# Altium PCB SmartHaloEE.PcbDoc (part 1 of 3) (continued)
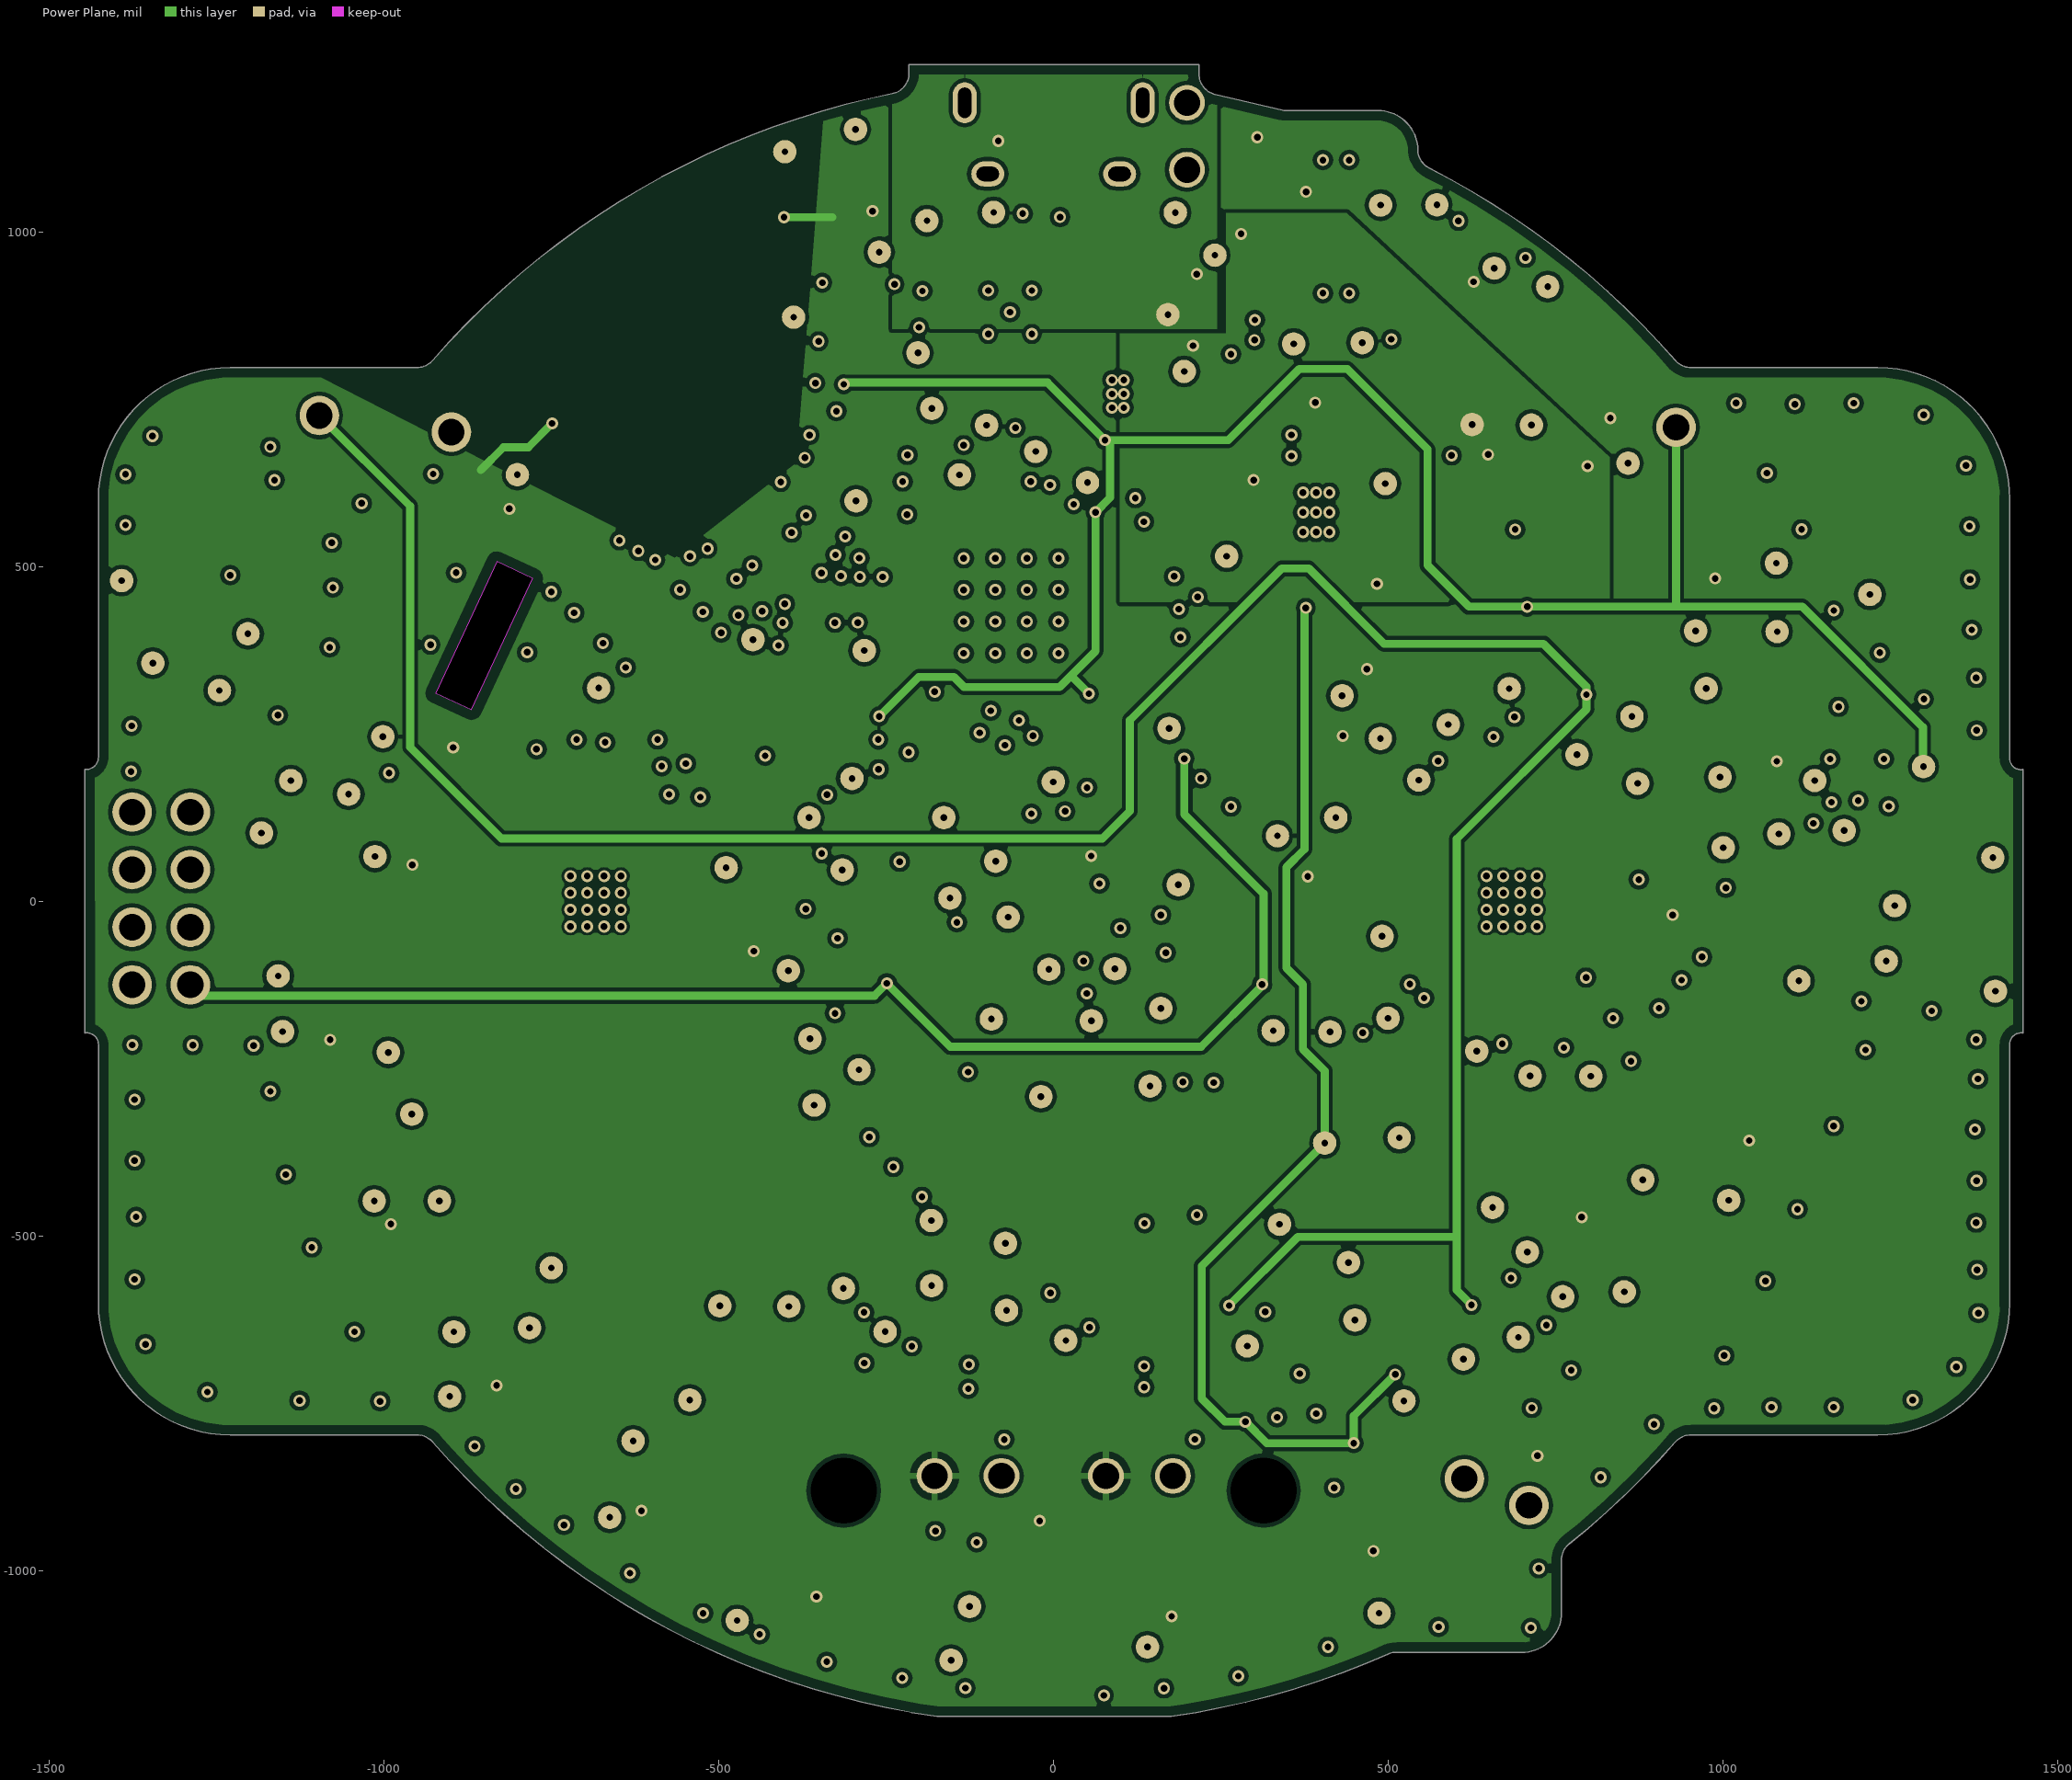
[diagram p3: Power Plane]

## Layer stack, top to bottom
Top Solder: solder mask 1, Solder Resist, Dk 3.5
Top Layer: signal copper 1.4
Dielectric 1: prepreg 6.7, FR408, Dk 3.67
Ground Plane: signal copper 1.4
Dielectric 2: core 47, FR408, Dk 3.67
Power Plane: signal copper 1.4
Dielectric 3: prepreg 6.7, Dk 3.67
Bottom Layer: signal copper 1.4
Bottom Solder: solder mask 1, Solder Resist, Dk 3.5

## Board outline
-1426.68,-213.78 ccw(c-1443.89,-213.78) -1446.88,-196.83 -1446.68,-196.83 -1446.68,197.07 -1447.06,197.07 ccw(c-1444.87,215.13) -1426.68,215.13 -1426.68,600.44 cw(c-1229.88,600.54) -1229.88,797.34 -950.88,797.34 ccw(c-950.88,828.34) -927.5,807.99 cw(c0.42,0.14) -241,1206.52 ccw(c-247.08,1236.92) -216.08,1236.92 -216.08,1250.04 217.02,1250.04 217.02,1235.71 ccw(c248.02,1235.71) 240.94,1205.53 341.42,1181.96 ccw(c348.5,1212.14) 348.5,1181.14 484.72,1181.14 cw(c484.82,1122.14) 543.82,1122.14 543.82,1123.04 ccw(c574.82,1123.04) 560.7,1095.44 cw(c0.62,0.24) 928.35,807.99 ccw(c951.73,828.34) 951.73,797.34 1230.82,797.34 cw(c1230.77,600.49) 1427.62,600.44 1427.62,213.56 ccw(c1444.49,213.56) 1447.42,196.95 1447.62,196.95 1447.62,-196.83 1447.79,-196.83 ccw(c1444.81,-213.76) 1427.62,-213.76 1427.62,-600.26 cw(c1230.82,-600.36) 1230.82,-797.16 951.69,-797.16 ccw(c951.69,-828.16) 928.31,-807.8 cw(c0.62,-0.06) 769.93,-959.87 ccw(c789.32,-984.05) 758.32,-984.05 758.32,-1062.86 cw(c699.32,-1062.96) 699.32,-1121.96 511.72,-1121.96 ccw(c511.72,-1152.96) 499.16,-1124.62 cw(c0.45,0.03) 175.47,-1217.72 -174.53,-1217.72 cw(c0.45,0.03) -927.42,-807.8 ccw(c-950.8,-828.16) -950.8,-797.16 -1229.88,-797.16 cw(c-1229.83,-600.31) -1426.68,-600.26
cut-out: -923.11,311.18 -869.59,286.22 -778.08,482.47 -831.6,507.43

## Design rules (kind name [scope] priority, off if disabled: settings)
AcuteAngle [All] p1: minimum=6.00000000000000E+0001 checktracksonly=TRUE
AssemblyTestPointUsage AssemblyTestPointUsage_NoTP [InNet('ANT') Or InNet('RF') Or InNet('NetC20_2')  Or InNet('P0.09/NFC1') Or InNet('P0.10/NFC2') Or InNet('XC_N') Or InNet('XC_P') Or InNet('XL_N') Or InNet('XL_P')] p1: valid=1
AssemblyTestPointUsage AssemblyTestPointUsage_Power [InNet('VDD_NRF') Or InNet('VLED') OR InNet('PGND') OR InNet('GND') OR InNet('VBZ') OR InNet('VUSB') Or InNet('VBAT') Or InNet('DGND') Or InNet('AGND') Or InNet('S2V8')] p2: allowmultiple=TRUE
AssemblyTestPointUsage [All] p3:
AssemblyTestpoint AssemblyTestpoint_TP [InComponent('TP*')] p1: testpointundercomponent=TRUE minsize=35 maxsize=59.06 preferedsize=35 minholesize=0 maxholesize=39.37 preferedholesize=10 testpointgrid=1 usegrid=FALSE gridoriginx=2810.98 gridoriginy=2760.98 gridtolerance=0.01 allowsidebottom=TRUE minspacing=83
AssemblyTestpoint AssemblyTestpoint_ShortComponents [((IsPad And (OnTopLayer Or OnBottomLayer)) Or (IsVia) Or (IsPad And OnMultiLayer)) And (IsComponent And (Height < 150))] p2: testpointundercomponent=TRUE minsize=35 maxsize=59.06 preferedsize=35 minholesize=0 maxholesize=39.37 preferedholesize=10 testpointgrid=1 usegrid=FALSE gridoriginx=2810.98 gridoriginy=2760.98 gridtolerance=0.01 allowsidebottom=TRUE minspacing=83 compbodyclearance=40
AssemblyTestpoint AssemblyTestpoint_TallComponents [(IsPad And (OnTopLayer Or OnBottomLayer)) Or (IsVia) Or (IsPad And OnMultiLayer)] p3: testpointundercomponent=TRUE minsize=35 maxsize=59.06 preferedsize=35 minholesize=0 maxholesize=39.37 preferedholesize=10 testpointgrid=1 usegrid=FALSE gridtolerance=0.01 allowsidebottom=TRUE minspacing=83 compbodyclearance=55
BoardOutlineClearance BoardOutlineClearance_Component [IsComponent] p1: gap=66
BoardOutlineClearance [All] p2: gap=15
Clearance Clearance_ISSIDrivers [HasFootprint('QFN-44')] p1: gap=4
Clearance [All] p2: gap=6
ComponentClearance ComponentClearance_COAXSWITCH [HasFootprint('COAXIAL-SWF') Or InComponent('TP*')] p1: gap=0 collisioncheckmode=3 verticalgap=0 showdistances=FALSE
ComponentClearance [All] p2: gap=10 collisioncheckmode=3 verticalgap=10 showdistances=FALSE
DiffPairsRouting [Not InDifferentialPair('BZ_OUT')] p1: maxlimit=10 minlimit=6 mostfreqgap=8 toplayer_minwidth=6 toplayer_maxwidth=10 toplayer_prefwidth=8 midlayer1_minwidth=6 midlayer1_maxwidth=10 midlayer1_prefwidth=8 midlayer2_minwidth=6 midlayer2_maxwidth=10 midlayer2_prefwidth=8 bottomlayer_minwidth=6 bottomlayer_maxwidth=10 bottomlayer_prefwidth=8 maxuncoupledlength=500
DiffPairsRouting DiffPairsRouting_BZOUT [InDifferentialPair('BZ_OUT')] p2: maxlimit=500 minlimit=6 mostfreqgap=8 toplayer_minwidth=6 toplayer_maxwidth=10 toplayer_prefwidth=8 midlayer1_minwidth=6 midlayer1_maxwidth=10 midlayer1_prefwidth=8 midlayer2_minwidth=6 midlayer2_maxwidth=10 midlayer2_prefwidth=8 bottomlayer_minwidth=6 bottomlayer_maxwidth=10 bottomlayer_prefwidth=8 maxuncoupledlength=8000
FabricationTestPointUsage FabricationTestPointUsage_NoTP [InNet('ANT') Or InNet('RF') Or InNet('NetC20_2') Or InNet('P0.09/NFC1') Or InNet('P0.10/NFC2') Or InNet('XC_N') Or InNet('XC_P') Or InNet('XL_N') Or InNet('XL_P')] p1: valid=1 allowmultiple=FALSE
FabricationTestPointUsage FabricationTestPointUsage_Power [InNet('VDD_NRF') Or InNet('VLED') OR InNet('PGND') OR InNet('GND') OR InNet('VBZ') OR InNet('VUSB') Or InNet('VBAT') Or InNet('DGND') Or InNet('AGND') Or InNet('S2V8')] p2: valid=0 allowmultiple=TRUE
FabricationTestPointUsage [All] p3: valid=0 allowmultiple=FALSE
FabricationTestpoint FabricationTestpoint_TP [InComponent('TP*')] p1: side=2 testpointundercomponent=TRUE minsize=35 maxsize=59.06 preferedsize=35 minholesize=0 maxholesize=39.37 preferedholesize=10 testpointgrid=1 allowsidebottom=TRUE usegrid=FALSE gridtolerance=0.01 minspacing=83
FabricationTestpoint FabricationTestpoint_ShortComponents [((IsPad And (OnTopLayer Or OnBottomLayer)) Or (IsVia) Or (IsPad And OnMultiLayer)) And (IsComponent And (Height < 150))] p2: side=2 testpointundercomponent=TRUE minsize=35 maxsize=59.06 preferedsize=35 minholesize=0 maxholesize=39.37 preferedholesize=10 testpointgrid=1 allowsidebottom=TRUE usegrid=FALSE gridtolerance=0.01 minspacing=83 compbodyclearance=40
FabricationTestpoint FabricationTestpoint_TallComponents [(IsPad And (OnTopLayer Or OnBottomLayer)) Or (IsVia) Or (IsPad And OnMultiLayer)] p3: side=2 testpointundercomponent=TRUE minsize=35 maxsize=59.06 preferedsize=35 minholesize=0 maxholesize=39.37 preferedholesize=10 testpointgrid=1 allowsidebottom=TRUE usegrid=FALSE gridoriginx=2810.98 gridoriginy=2760.98 gridtolerance=0.01 minspacing=83 compbodyclearance=55
FanoutControl Fanout_LCC [IsLCC] p1: bgadir=Out bgaviamode=Centered fanoutstyle=Auto fanoutdirection=Alternating viagrid=1 // Fanout_LCC (Default Rule)
FanoutControl Fanout_BGA [IsBGA] p2: bgadir=Out bgaviamode=Centered fanoutstyle=Auto fanoutdirection=Alternating viagrid=1 // Fanout_BGA (Default Rule)
FanoutControl Fanout_Small [(CompPinCount < 5)] p3: bgadir=Out bgaviamode=Centered fanoutstyle=Auto fanoutdirection=OutThenIn viagrid=1 // Fanout_Small (Default Rule)
FanoutControl Fanout_SOIC [IsSOIC] p4: bgadir=Out bgaviamode=Centered fanoutstyle=Auto fanoutdirection=Alternating viagrid=1 // Fanout_SOIC (Default Rule)
Height HeightTop [OnTop] p1: minheight=0 maxheight=84.25 prefheight=78.74
Height HeightBottom [TouchesRoom('BatteryRoom')] p2: minheight=0 maxheight=78.74 prefheight=39.37
HoleSize [All] p1: absolutevalues=TRUE maxlimit=100 minlimit=10 maxpercent=80.000 minpercent=20.000
HoleToHoleClearance [All] p1: gap=6 allowstackedmicrovias=TRUE
MinimumAnnularRing [All] p1: minimumring=4
MinimumSolderMaskSliver MinimumSolderMaskSliver_QFN_DFN [IsVia And (HasFootprint('DSQ10-1500X900TP') Or HasFootprint('QFN-44')) vs IsVia And (HasFootprint('DSQ10-1500X900TP') Or HasFootprint('QFN-44'))] p1: minsoldermaskwidth=0
MinimumSolderMaskSliver MinimumSolderMaskSliver_QFN_DFN_1 [HasFootprint('QFN40P600X600X90-48N') Or HasFootprint('DSQ10-1500X900TP') Or HasFootprint('DRC10-2400X1650TP') Or HasFootprint('DRV6-1600X1000TP') Or HasFootprint('WDFN8') Or HasFootprint('59453061110ECHLF') vs HasFootprint('QFN40P600X600X90-48N') Or HasFootprint('DSQ10-1500X900TP') Or HasFootprint('DRC10-2400X1650TP') Or HasFootprint('DRV6-1600X1000TP') Or HasFootprint('WDFN8') Or HasFootprint('59453061110ECHLF')] p2: minsoldermaskwidth=2
MinimumSolderMaskSliver [All] p3: minsoldermaskwidth=4
PolygonConnect PolygonConnect_Direct [(IsVia And InNet('GND')) Or (IsVia And InNet('VLED')) Or (InNet('VBAT') Or InNet('VUSB') Or InNet('VDD_NRF') Or InNet('VBZ') Or InNet('S2V8') Or InNet('NetD2_2') Or InNet('NetD1_2')) Or HasFootprint('QFN-44') Or HasFootprint('COAXIAL-SWF')] p1: connectstyle=Direct reliefconductorwidth=10 reliefentries=4 polygonreliefangle="90 Angle" airgapwidth=10
PolygonConnect [All] p2: connectstyle=Relief reliefconductorwidth=10 reliefentries=4 polygonreliefangle="90 Angle" airgapwidth=10
RoomDefinition BatteryRoom [False] p1: confinementstyle=ConfineOut formatcopy=TRUE lockcomponents=FALSE outline -1260.32,-826.77 -1260.32,826.77 1260.32,826.77 1260.32,-826.77
RoomDefinition TopCentralLed [OnTop And Not InComponent('LED14') And Not InComponent('TP*')] p2: confinementstyle=ConfineOut formatcopy=TRUE lockcomponents=FALSE outline -216.55,-0.01 ccw(c-0.02,-0.01) -0.02,-216.54 ccw(c-0.02,-0.01) 216.52,-0.01 ccw(c-0.02,-0.01) -0.02,216.53 ccw(c-0.02,-0.01)
RoomDefinition TopComponents [OnTop And Not(InComponent('LED2') Or InComponent('LED3') Or InComponent('LED4') Or InComponent('LED5') Or InComponent('LED6') Or InComponent('LED7') Or InComponent('LED8') Or InComponent('LED9') Or InComponent('LED10') Or InComponent('LED11') Or InComponent('LED12') Or InComponent('LED13') Or InComponent('LED1') Or InComponent('LED15') Or InComponent('LED16') Or InComponent('LED17') Or InComponent('LED18') Or InComponent('LED19') Or InComponent('LED20') Or InComponent('LED21') Or InComponent('LED22') Or InComponent('LED23') Or InComponent('LED24') Or InComponent('LED25') Or InComponent('U1') Or InComponent('U11') Or InComponent('SB*') Or InComponent('TP*') Or InComponent('R1') Or InComponent('C1') Or InComponent('C2') Or InComponent('C3') Or InComponent('C4') Or InComponent('C5') Or InComponent('C6') Or InComponent('C7') Or InComponent('C43') Or InComponent('C44') Or InComponent('C45') Or InComponent('C46'))] p3: confinementstyle=ConfineIn formatcopy=TRUE lockcomponents=FALSE outline -994.11,-0.01 ccw(c-0.02,-0.01) -0.02,-994.1 ccw(c-0.02,-0.01) 994.08,-0.01 ccw(c-0.02,-0.01) -0.02,994.09 ccw(c-0.02,-0.01)
RoutingVias [All] p1: holewidth=13 width=27 viastyle="Through Hole" minholewidth=10 minwidth=18 maxholewidth=28 maxwidth=50
SilkToBoardRegionClearance SilkToBoardRegionClearance_1 [All] p2:
SolderMaskExpansion SolderMaskExpansion_QFN_DFN_SON [HasFootprint('QFN-44') Or HasFootprint('QFN40P600X600X90-48N') Or HasFootprint('DRC10-2400X1650TP') Or HasFootprint('DSQ10-1500X900TP') Or HasFootprint('QFN-32-TP') Or HasFootprint('DRV6-1600X1000TP')] p1: expansion=2
SolderMaskExpansion [All] p2: expansion=3
Width Width_RF [InNet('ANT') Or InNet('RF') Or InNet('NetC17_2')] p1 off: maxlimit=20 minlimit=10.43 preferedwidth=15 toplayer_maxwidth=10.43 toplayer_prefwidth=10.43 midlayer1_minwidth=12 midlayer2_minwidth=12 bottomlayer_maxwidth=10.43 bottomlayer_prefwidth=10.43 impedancedriven=TRUE minimp=0.000000 maximp=500.000000 favimp=200.000000
Width Width_Power [InNet('VBAT') Or InNet('VLED') Or InNet('VBZ') Or InNet('VDD_NRF') Or InNet('S2V8') Or InNet('AVDD') Or InNet('GND') Or InNet('AGND') Or InNet('PGND') Or InNet('DGND') Or InNet('VUSB')] p2: maxlimit=50 minlimit=8 preferedwidth=12
Width [All] p3: maxlimit=16 minlimit=6 preferedwidth=6
16 further rules are at their usual default settings.

## Classes and differential pairs
component class 5_MISC: C56 C57 C58 C59 C60 C? J5 R32 R33 R36 R37 TP59 TP60 TP82 TP86 TP89 TP91 TP103 TP106 TP145 U16
component class 3_LEDDRIVERS: C12 C15 C36 C37 D1 D2 Q2 R2 R3 R7 R11 R12 R14 R23 TP44 TP65 TP67 TP68 TP70 TP73 TP78 TP79 TP92 TP105 TP109 U2 U4 U6 U10
component class 6_ALARM: C29 C33 C35 C38 C39 C40 C? D4 J2 J3 Q3 Q4 R21 R22 R24 R25 R26 R27 R34 R35 TP28 TP35 TP36 TP39 TP42 TP48 TP50 TP56 TP146 TP148 U8 U9
component class 2_BLE: ANT1 C11 C13 C14 C16 C17 C18 C19 C20 C21 C24 C25 C27 C31 C32 J1 L1 L2 L3 L6 L7 Q1 R4 R5 R6 R10 R13 R16 R17 R20 R28 R29 R30 R31 TP6 TP7 TP33 TP62 TP63 TP71 TP84 TP85 TP93 TP99 TP107 TP135 TP136 TP137 TP138 TP140 TP141 TP142 TP143 U3 X1 X2
component class 1_PWR: C23 C26 C28 C30 C34 C47 C48 C49 C50 C51 C52 C53 C54 C55 C? D3 J4 L4 L5 R8 R9 R15 R18 R19 RT1 RT2 TP8 TP12 TP18 TP29 TP38 TP51 TP54 TP61 TP69 TP74 TP90 TP128 TP147 TP149 TP150 TP151 U5 U7 U12 U13 U14 U15
component class 4_SENSORS: C1 C2 C3 C4 C5 C6 C7 C43 C44 C45 C46 C? J6 R1 SB1 TP1 TP2 TP3 TP4 TP5 TP117 TP118 TP133 TP134 TP139 TP144 U1 U11
component class 7_LEDS: C8 C9 C10 C22 C41 C42 LED1 LED2 LED3 LED4 LED5 LED6 LED7 LED8 LED9 LED10 LED11 LED12 LED13 LED14 LED15 LED16 LED17 LED18 LED19 LED20 LED21 LED22 LED23 LED24 LED25 TP9 TP10 TP11 TP13 TP14 TP15 TP16 TP17 TP19 TP20 TP21 TP22 TP23 TP24 TP25 TP26 TP27 TP30 TP31 TP32 TP34 TP37 TP40 TP41 TP43 TP45 TP46 TP47 TP49 TP52 TP53 TP55 TP57 TP58 TP64 TP66 TP72 TP75 TP76 TP77 TP80 TP81 TP83 TP87 TP88 TP94 TP95 TP96 TP97 TP98 TP100 TP101 TP102 TP104 TP108 TP110 TP111 TP112 TP113 TP114 TP115 TP116 TP119 TP120 TP121 TP122 TP123 TP124 TP125 TP126 TP127 TP129 TP130 TP131 TP132
differential pair BZ_OUT: +BZ_OUT_P -BZ_OUT_N
differential pair BZR_D: +BZR_D_P -BZR_D_N
differential pair SNS: +SNS_P -SNS_N
differential pair USBD: +USBD_P -USBD_N
differential pair XC: +XC_P -XC_N
differential pair XL: +XL_P -XL_N

## Components (designator, comment, footprint, x,y, rotation, side; value= is the part's Value field where it differs from the comment)
ANT1 "2450AT18A100" 2450AT18A100 -560.6,705 r130 top
C1 "DNP" Varitron_CAP0402 -1345.6,421.5 r90 top
C2 "1.0uF" Varitron_CAP0603 -1288.2,727.2 r180 top
C3 "100 nF" Varitron_CAP0402 -1286.7,684.5 r180 top
C4 "6.8 nF" VARITRON_CAP0402 -1284.74,519.92 r0 top
C5 "DNP" VARITRON_CAP0402 -1284.64,479.39 r0 top
C6 "DNP" VARITRON_CAP0402 -1284.3,441.1 r0 top
C7 "DNP" VARITRON_CAP0402 -1298.7,377.6 r270 top
C8 "100 nF" Varitron_CAP0402 -959.29,-1.93 r270 top
C9 "100 nF" VARITRON_CAP0402 -935.11,218.87 r255 top
C10 "100 nF" Varitron_CAP0402 -789.5,520.6 r335 top
C11 "1.2 pF" VARITRON_CAP0402 -486.45,577.35 r40 top
C12 "100 nF" VARITRON_CAP0402 -485.75,-5.77 r90 top
C13 "100 pF" VARITRON_CAP0402 -431.2,347.6 r180 top
C14 "12 pF" VARITRON_CAP0402 -447.83,272.64 r270 top
C15 "1.0uF" VARITRON_CAP0603 -418.68,-6.26 r90 top
C16 "DNP" VARITRON_CAP0402 -346.8,378.1 r180 top
C17 "DNP" VARITRON_CAP0402 -365.7,434.2 r90 top
C18 "1.0uF" VARITRON_CAP0603 -294.9,94.9 r315 top
C19 "12 pF" VARITRON_CAP0402 -311.12,270.2 r90 top
C20 "0.8 pF" VARITRON_CAP0402 -253.9,434.4 r90 top
C21 "100 nF" VARITRON_CAP0402 -218.9,282.2 r270 top
C22 "100 nF" Varitron_CAP0402 -42.3,-959.6 r180 top
C23 "4.7uF" VARITRON_CAP0603 40.3,833.7 r0 top
C24 "4.7 uF" VARITRON_CAP0805 73.37,262.89 r0 top
C25 "100 nF" VARITRON_CAP0402 90.9,554.5 r270 top
C26 "4.7uF" VARITRON_CAP0603 146.6,834 r180 top
C27 "100 nF" VARITRON_CAP0402 124.07,326.34 r0 top
C28 "680 pF" VARITRON_CAP0402 220.8,620.9 r270 top
C29 "1.0uF" VARITRON_CAP0603 262,-535.5 r90 top
C30 "4.7 uF" VARITRON_CAP0805 309.3,543.7 r90 top
C31 "12 pF" VARITRON_CAP0402 316,333.4 r180 top
C32 "12 pF" VARITRON_CAP0402 316.2,281.3 r180 top
C33 "100 nF" VARITRON_CAP0402 310.81,-534.22 r90 top
C34 "4.7 uF" VARITRON_CAP0805 358,772.5 r180 top
C35 "2 nF" VARITRON_CAP0402 375.8,-429.7 r90 top
C36 "1.0uF" VARITRON_CAP0603 421.65,7.64 r270 top
C37 "100 nF" VARITRON_CAP0402 487.85,8.96 r270 top
C38 "100 nF" VARITRON_CAP0402 576.75,-536.85 r90 top
C39 "2 nF" VARITRON_CAP0402 604,-429.8 r90 top
C40 "1.0uF" VARITRON_CAP0603 624,-536.5 r90 top
C41 "100 nF" Varitron_CAP0402 831.16,-473.6 r60 top
C42 "100 nF" Varitron_CAP0402 959.68,0.06 r90 top
C43 "100 nF" VARITRON_CAP0402 1265.2,50.6 r90 top
C44 "10 uF" VARITRON_CAP0805 1338.58,144.33 r0 top
C45 "100 nF" VARITRON_CAP0402 1338.58,78.62 r0 top
C46 "220 nF" VARITRON_CAP0402 1386.2,-77.8 r180 top
C47 "10 uF" Varitron_CAP0805 835,366 r0 bottom
C48 "10 uF" Varitron_CAP0805 806,597 r0 bottom
C49 "10 uF" VARITRON_CAP0805 777,818.8 r90 bottom
C50 "1.0uF" Varitron_CAP0603 624.5,625.6 r180 bottom
C51 "100 nF" Varitron_CAP0402 623.5,577.6 r180 bottom
C52 "10 uF" VARITRON_CAP0805 558.38,799.64 r90 bottom
C53 "47 uF" Varitron_CAP1206 356.2,382.7 r0 bottom
C54 "10 uF" VARITRON_CAP0805 351,701 r0 bottom
C55 "100 nF" VARITRON_CAP0402 374,474.2 r0 bottom
C56 "4.7uF" VARITRON_CAP0603 127.9,897.3 r270 bottom
C57 "1.0uF" VARITRON_CAP0603 71.9,996.3 r90 bottom
C58 "100 nF" VARITRON_CAP0402 72.9,898.3 r270 bottom
C59 "100 nF" Varitron_CAP0402 -254,838.4 r90 bottom
C60 "4.7uF" Varitron_CAP0603 -313.8,839.1 r90 bottom
D1 "C503D-WAN-CDaEa232-0AH" FRONTLED_PADS -127.95,-858.39 r0 top locked
D2 "C503D-WAN-CDaEa232-0AH" FRONTLED_PADS 127.95,-858.39 r0 top locked
D3 "MBR0540T1G" ONSC-SOD-123-2-425-04_V 385.5,438.3 r0 top
D4 "BAS21DW5T1G" SC70-5 490.44,-430.21 r180 top
J1 "MM8130-2600" COAXIAL-SWF -418.79,527.99 r220 top
J2 "709296001002006" 709296001002006 1309.6,-480.5 r90 bottom locked
J3 "709296001002006" 709296001002006 1171.8,-480.3 r270 bottom locked
J4 "BM02(3)B-ADHSS-GAN-ETB" BM02(3)B-ADHSS-GAN-ETB 287.8,1007.87 r180 bottom locked
J5 "10118194-0001LF" 10118194-0001LF 0,1087.6 r0 bottom locked
J6 "59453-061110ECHLF" 59453061110ECHLF -1239.53,578.11 r245 bottom locked
L1 "3.9 nH" VARITRON_IND0402 -310.5,454.1 r180 top
L2 "15 nH" VARITRON_IND0402 -261.8,127.4 r315 top
L3 "10 µH" VARITRON_IND0603 -180.93,185.98 r45 top
L4 "10 uH" SRN5020-100M 542.1,622.1 r270 top
L5 "2.2 uH" SRN3015-2R2M 223,606.4 r270 bottom
LED1 "LTSN-N213EGBW" LTSN-N213EGBW -1120.08,0 r180 top locked
LED2 "LTSN-N213EGBW" LTSN-N213EGBW -1081.93,-289.92 r195 top locked
LED3 "LTSN-N213EGBW" LTSN-N213EGBW -1081.93,289.88 r165 top locked
LED4 "LTSN-N213EGBW" LTSN-N213EGBW -970.04,-560.04 r210 top locked
LED5 "LTSN-N213EGBW" LTSN-N213EGBW -970.04,560.04 r150 top locked
LED6 "LTSN-N213EGBW" LTSN-N213EGBW -792.05,-792.01 r225 top locked
LED7 "LTSN-N213EGBW" LTSN-N213EGBW -792.05,792.01 r135 top locked
LED8 "LTSN-N213EGBW" LTSN-N213EGBW -560.04,-970.04 r240 top
LED9 "LTSN-N213EGBW" LTSN-N213EGBW -560.04,970 r115 top locked
LED10 "LTSN-N213EGBW" LTSN-N213EGBW -289.92,-1081.93 r255 top locked
LED11 "LTSN-N213EGBW" LTSN-N213EGBW -289.92,1081.89 r105 top locked
LED12 "LTSN-N213EGBW" LTSN-N213EGBW 0,-1120.08 r270 top
LED13 "LTSN-N213EGBW" LTSN-N213EGBW 0,1120.08 r90 top locked
LED14 "LTSN-N213EGBW" LTSN-N213EGBW 0,0 r180 top locked
LED15 "LTSN-N213EGBW" LTSN-N213EGBW 289.88,-1081.93 r285 top